# KiCad board knobby_8_layer_12_coils_60_leds_70x20_complete.kicad_pcb
title: Knobby Coil PCB 8 Layer; date: 2023-02-05; rev: 2.0
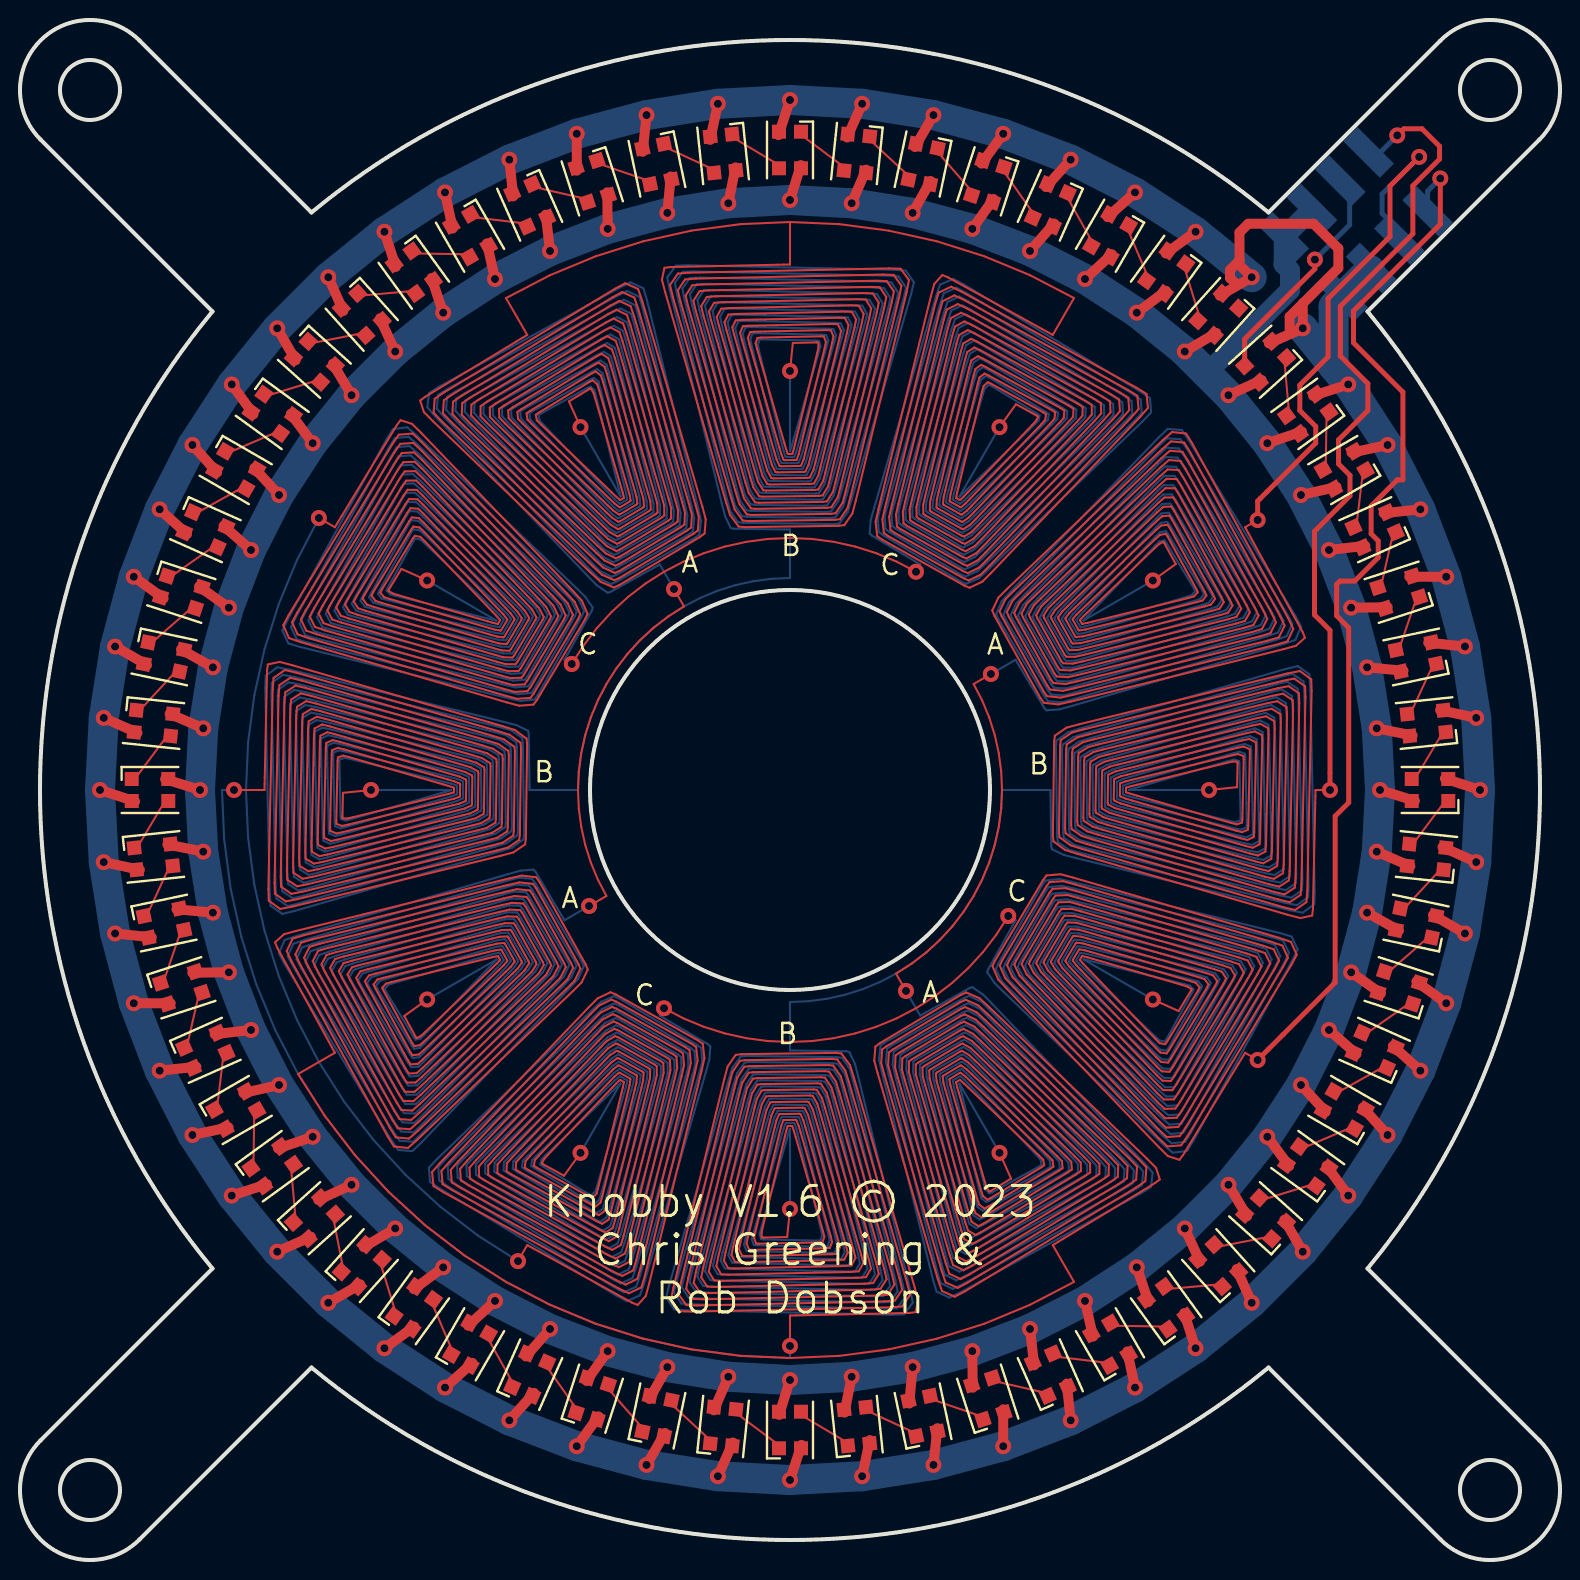
[diagram p0: board, top side]
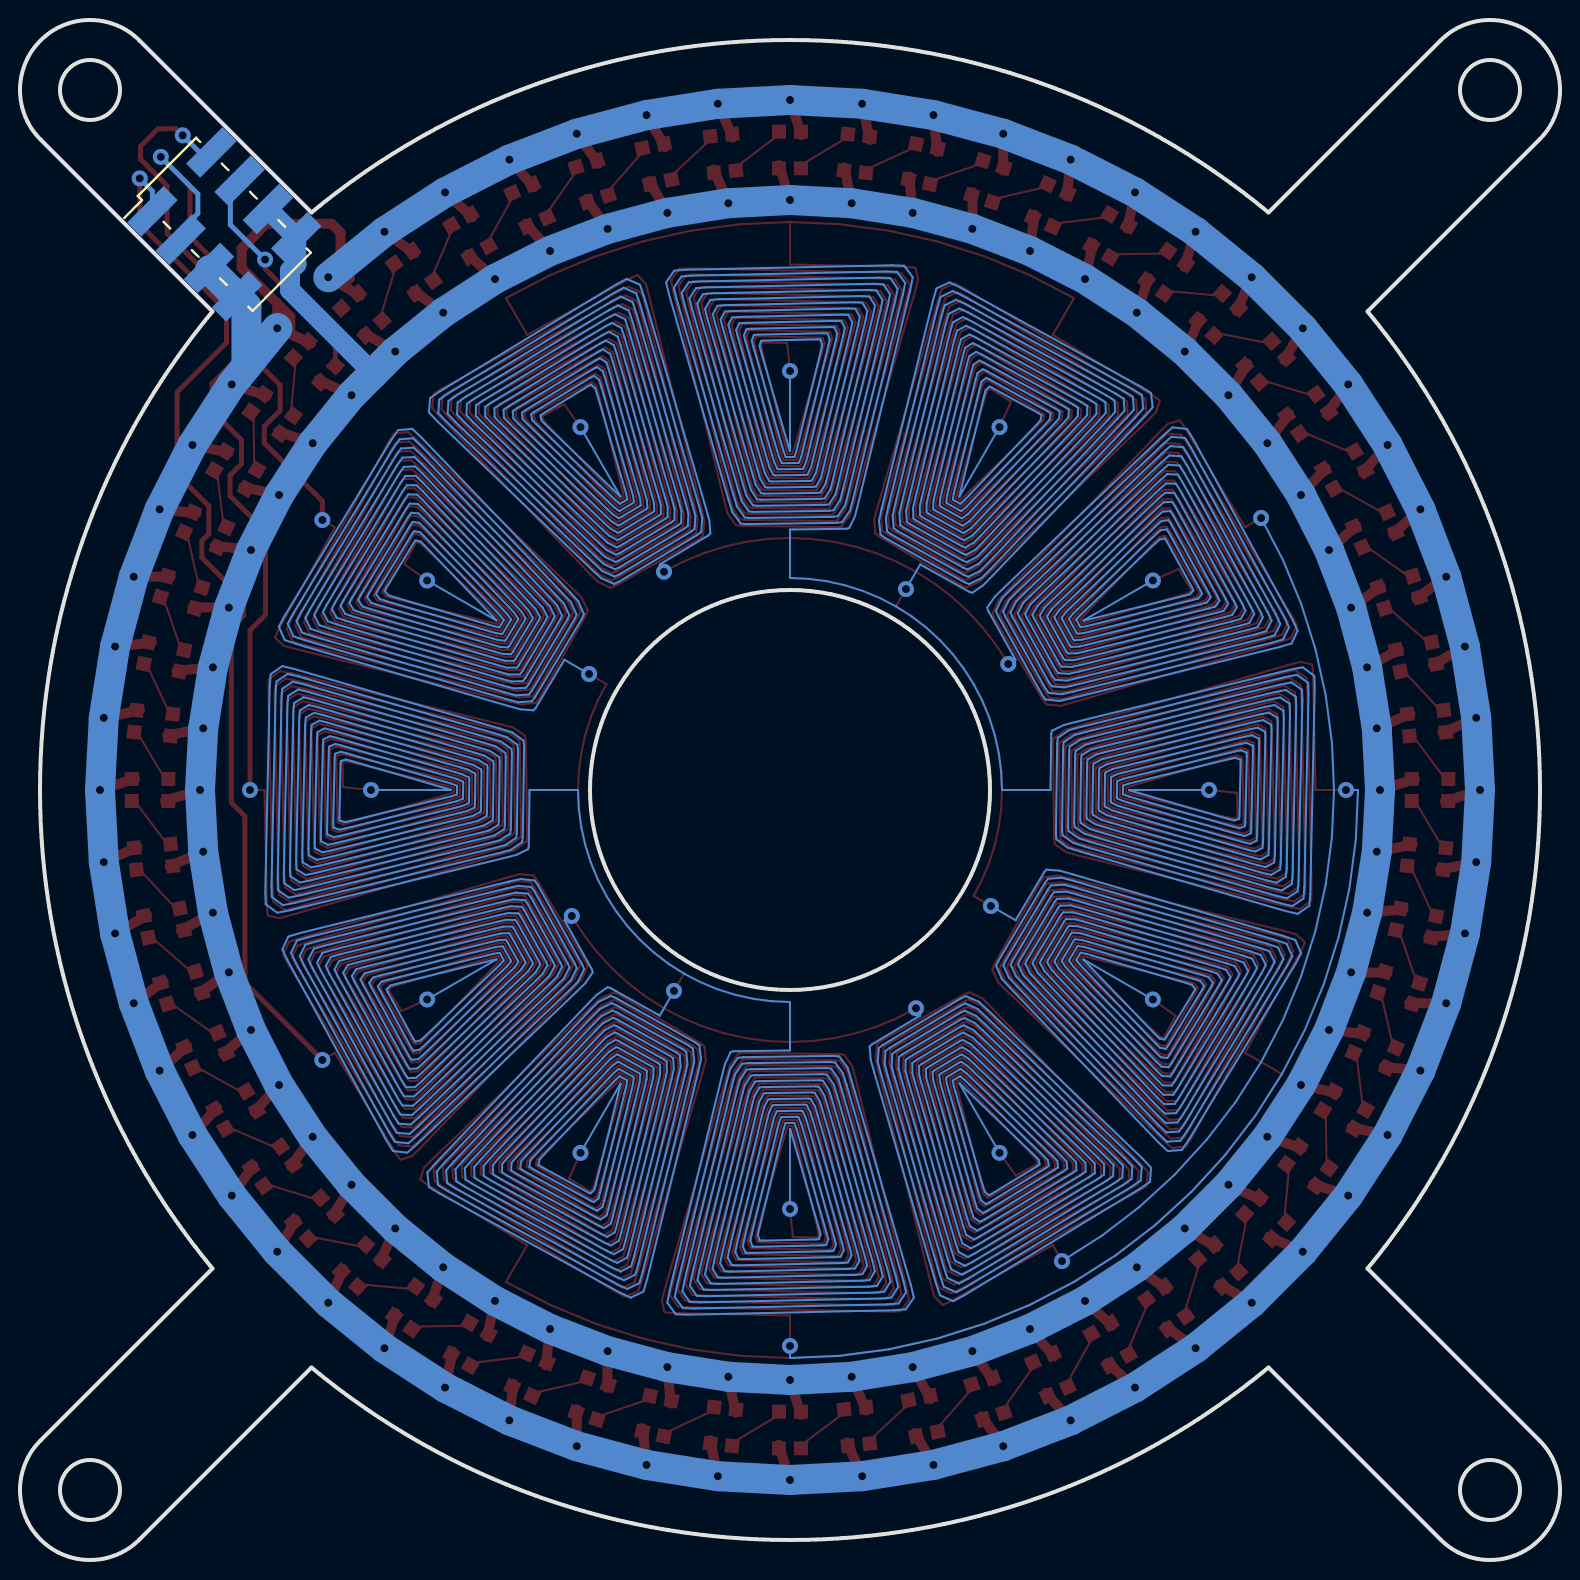
[diagram p1: board, bottom side, seen from below]

Outline 77 x 77 mm; copper layers: Top, In1.Cu, In2.Cu, In3.Cu, In4.Cu, In5.Cu, In6.Cu, Bottom. Coordinates in mm from the lower left corner of the outline.
Outline path: circle c3.5,73.5 r1.5 ; circle c3.5,3.5 r1.5 ; circle c38.5,38.5 r10 ; circle c73.5,73.5 r1.5 ; circle c73.5,3.5 r1.5 ; 1.03,71.03 arc(1.03,75.97) 5.97,75.97 14.57,67.38 arc(38.5,76) 62.43,67.38 71.03,75.97 arc(75.97,75.97) 75.97,71.03 67.38,62.43 arc(76,38.5) 67.38,14.57 75.97,5.97 arc(75.97,1.03) 71.03,1.03 62.43,9.62 arc(38.5,1) 14.57,9.62 5.97,1.03 arc(1.03,1.03) 1.03,5.97 9.62,14.57 arc(1,38.5) 9.62,62.43 1.03,71.03
Stack: Top 0.035mm / dielectric 0.1mm FR4 er 4.5 / In1.Cu 0.035mm / dielectric 1.51mm FR4 er 4.5 / In2.Cu 0.035mm / dielectric 1.51mm FR4 er 4.5 / In3.Cu 0.035mm / dielectric 1.51mm FR4 er 4.5 / In4.Cu 0.035mm / dielectric 1.51mm FR4 er 4.5 / In5.Cu 0.035mm / dielectric 1.51mm FR4 er 4.5 / In6.Cu 0.035mm / dielectric 1.51mm FR4 er 4.5 / Bottom 0.035mm

## Placement (name value [footprint] x y rotation side)
LED1  -  [LED_WS2812B-2020_PLCC4_2.0x2.0mm]  6.5 38.5 0 top
LED2  LED_WS2812B-2020_PLCC4_2.0x2.0mm  [LED_WS2812B-2020_PLCC4_2.0x2.0mm#2]  6.68 35.16 6 top
LED3  -  [LED_WS2812B-2020_PLCC4_2.0x2.0mm]  7.2 31.85 12 top
LED4  -  [LED_WS2812B-2020_PLCC4_2.0x2.0mm]  8.07 28.61 18 top
LED5  -  [LED_WS2812B-2020_PLCC4_2.0x2.0mm]  9.27 25.48 24 top
LED6  -  [LED_WS2812B-2020_PLCC4_2.0x2.0mm]  10.79 22.5 30 top
LED7  -  [LED_WS2812B-2020_PLCC4_2.0x2.0mm]  12.61 19.69 36 top
LED8  -  [LED_WS2812B-2020_PLCC4_2.0x2.0mm]  14.72 17.09 42 top
LED9  -  [LED_WS2812B-2020_PLCC4_2.0x2.0mm]  17.09 14.72 48 top
LED10  -  [LED_WS2812B-2020_PLCC4_2.0x2.0mm]  19.69 12.61 54 top
LED11  -  [LED_WS2812B-2020_PLCC4_2.0x2.0mm]  22.5 10.79 60 top
LED12  -  [LED_WS2812B-2020_PLCC4_2.0x2.0mm]  25.48 9.27 66 top
LED13  -  [LED_WS2812B-2020_PLCC4_2.0x2.0mm]  28.61 8.07 72 top
LED14  -  [LED_WS2812B-2020_PLCC4_2.0x2.0mm]  31.85 7.2 78 top
LED15  LED_WS2812B-2020_PLCC4_2.0x2.0mm  [LED_WS2812B-2020_PLCC4_2.0x2.0mm#3]  35.16 6.68 84 top
LED16  -  [LED_WS2812B-2020_PLCC4_2.0x2.0mm]  38.5 6.5 90 top
LED17  LED_WS2812B-2020_PLCC4_2.0x2.0mm  [LED_WS2812B-2020_PLCC4_2.0x2.0mm#2]  41.84 6.68 96 top
LED18  -  [LED_WS2812B-2020_PLCC4_2.0x2.0mm]  45.15 7.2 102 top
LED19  -  [LED_WS2812B-2020_PLCC4_2.0x2.0mm]  48.39 8.07 108 top
LED20  -  [LED_WS2812B-2020_PLCC4_2.0x2.0mm]  51.52 9.27 114 top
LED21  -  [LED_WS2812B-2020_PLCC4_2.0x2.0mm]  54.5 10.79 120 top
LED22  -  [LED_WS2812B-2020_PLCC4_2.0x2.0mm]  57.31 12.61 126 top
LED23  -  [LED_WS2812B-2020_PLCC4_2.0x2.0mm]  59.91 14.72 132 top
LED24  -  [LED_WS2812B-2020_PLCC4_2.0x2.0mm]  62.28 17.09 138 top
LED25  -  [LED_WS2812B-2020_PLCC4_2.0x2.0mm]  64.39 19.69 144 top
LED26  -  [LED_WS2812B-2020_PLCC4_2.0x2.0mm]  66.21 22.5 150 top
LED27  -  [LED_WS2812B-2020_PLCC4_2.0x2.0mm]  67.73 25.48 156 top
LED28  -  [LED_WS2812B-2020_PLCC4_2.0x2.0mm]  68.93 28.61 162 top
LED29  -  [LED_WS2812B-2020_PLCC4_2.0x2.0mm]  69.8 31.85 168 top
LED30  LED_WS2812B-2020_PLCC4_2.0x2.0mm  [LED_WS2812B-2020_PLCC4_2.0x2.0mm#3]  70.32 35.16 174 top
LED31  -  [LED_WS2812B-2020_PLCC4_2.0x2.0mm]  70.5 38.5 180 top
LED32  LED_WS2812B-2020_PLCC4_2.0x2.0mm  [LED_WS2812B-2020_PLCC4_2.0x2.0mm#2]  70.32 41.84 186 top
LED33  -  [LED_WS2812B-2020_PLCC4_2.0x2.0mm]  69.8 45.15 192 top
LED34  -  [LED_WS2812B-2020_PLCC4_2.0x2.0mm]  68.93 48.39 198 top
LED35  -  [LED_WS2812B-2020_PLCC4_2.0x2.0mm]  67.73 51.52 204 top
LED36  -  [LED_WS2812B-2020_PLCC4_2.0x2.0mm]  66.21 54.5 210 top
LED37  -  [LED_WS2812B-2020_PLCC4_2.0x2.0mm]  64.39 57.31 216 top
LED38  -  [LED_WS2812B-2020_PLCC4_2.0x2.0mm]  62.28 59.91 222 top
LED39  -  [LED_WS2812B-2020_PLCC4_2.0x2.0mm]  59.91 62.28 228 top
LED40  -  [LED_WS2812B-2020_PLCC4_2.0x2.0mm]  57.31 64.39 234 top
LED41  -  [LED_WS2812B-2020_PLCC4_2.0x2.0mm]  54.5 66.21 240 top
LED42  -  [LED_WS2812B-2020_PLCC4_2.0x2.0mm]  51.52 67.73 246 top
LED43  -  [LED_WS2812B-2020_PLCC4_2.0x2.0mm]  48.39 68.93 252 top
LED44  -  [LED_WS2812B-2020_PLCC4_2.0x2.0mm]  45.15 69.8 258 top
LED45  LED_WS2812B-2020_PLCC4_2.0x2.0mm  [LED_WS2812B-2020_PLCC4_2.0x2.0mm#3]  41.84 70.32 264 top
LED46  -  [LED_WS2812B-2020_PLCC4_2.0x2.0mm]  38.5 70.5 270 top
LED47  LED_WS2812B-2020_PLCC4_2.0x2.0mm  [LED_WS2812B-2020_PLCC4_2.0x2.0mm#2]  35.16 70.32 276 top
LED48  -  [LED_WS2812B-2020_PLCC4_2.0x2.0mm]  31.85 69.8 282 top
LED49  -  [LED_WS2812B-2020_PLCC4_2.0x2.0mm]  28.61 68.93 288 top
LED50  -  [LED_WS2812B-2020_PLCC4_2.0x2.0mm]  25.48 67.73 294 top
LED51  -  [LED_WS2812B-2020_PLCC4_2.0x2.0mm]  22.5 66.21 300 top
LED52  -  [LED_WS2812B-2020_PLCC4_2.0x2.0mm]  19.69 64.39 306 top
LED53  -  [LED_WS2812B-2020_PLCC4_2.0x2.0mm]  17.09 62.28 312 top
LED54  -  [LED_WS2812B-2020_PLCC4_2.0x2.0mm]  14.72 59.91 318 top
LED55  -  [LED_WS2812B-2020_PLCC4_2.0x2.0mm]  12.61 57.31 324 top
LED56  -  [LED_WS2812B-2020_PLCC4_2.0x2.0mm]  10.79 54.5 330 top
LED57  -  [LED_WS2812B-2020_PLCC4_2.0x2.0mm]  9.27 51.52 336 top
LED58  -  [LED_WS2812B-2020_PLCC4_2.0x2.0mm]  8.07 48.39 342 top
LED59  -  [LED_WS2812B-2020_PLCC4_2.0x2.0mm]  7.2 45.15 348 top
LED60  LED_WS2812B-2020_PLCC4_2.0x2.0mm  [LED_WS2812B-2020_PLCC4_2.0x2.0mm#3]  6.68 41.84 354 top
REF**  -  [PinHeader_2x04_P2.00mm_Vertical_SMD]  66.78 66.78 135 bottom

## Footprints (pads in the part's own frame, mm; a bottom-side part is the same pattern mirrored in y, then rotated)
LED_WS2812B-2020_PLCC4_2.0x2.0mm
  rect 0.7x0.7 smd: 1(-0.915,0.55) 2(-0.915,-0.55) 3(0.915,-0.55) 4(0.915,0.55)
LED_WS2812B-2020_PLCC4_2.0x2.0mm#2
  rect 0.7x0.7 smd: 1(-0.915,0.55) 2(-0.915,-0.55) 3(0.915,-0.55) 4(0.915,0.55)
LED_WS2812B-2020_PLCC4_2.0x2.0mm#3
  rect 0.7x0.7 smd: 1(-0.915,0.55) 2(-0.915,-0.55) 3(0.915,-0.55) 4(0.915,0.55)
PinHeader_2x04_P2.00mm_Vertical_SMD
  rect 2.58x1 smd: 1(-2.085,3) 2(2.085,3) 3(-2.085,1) 4(2.085,1) 5(-2.085,-1) 6(2.085,-1) 7(-2.085,-3) 8(2.085,-3)

## Nets
GND: LED1.2 LED2.2 LED3.2 LED4.2 LED5.2 LED6.2 LED7.2 LED8.2 LED9.2 LED10.2 LED11.2 LED12.2 LED13.2 LED14.2 LED15.2 LED16.2 LED17.2 LED18.2 LED19.2 LED20.2 LED21.2 LED22.2 LED23.2 LED24.2 LED25.2 LED26.2 LED27.2 LED28.2 LED29.2 LED30.2 LED31.2 LED32.2 LED33.2 LED34.2 LED35.2 LED36.2 LED37.2 LED38.2 LED39.2 LED40.2 LED41.2 LED42.2 LED43.2 LED44.2 LED45.2 LED46.2 LED47.2 LED48.2 LED49.2 LED50.2 LED51.2 LED52.2 LED53.2 LED54.2 LED55.2 LED56.2 LED57.2 LED58.2 LED59.2 LED60.2 REF**.5 REF**.7
coils: REF**.1 REF**.2 REF**.3
LED_IO_1: LED1.1 LED60.3
LED_IO_2: LED1.3 LED2.1
LED_IO_3: LED2.3 LED3.1
LED_IO_4: LED3.3 LED4.1
LED_IO_5: LED4.3 LED5.1
LED_IO_6: LED5.3 LED6.1
LED_IO_7: LED6.3 LED7.1
LED_IO_8: LED7.3 LED8.1
LED_IO_9: LED8.3 LED9.1
LED_IO_10: LED9.3 LED10.1
LED_IO_11: LED10.3 LED11.1
LED_IO_12: LED11.3 LED12.1
LED_IO_13: LED12.3 LED13.1
LED_IO_14: LED13.3 LED14.1
LED_IO_15: LED14.3 LED15.1
LED_IO_16: LED15.3 LED16.1
LED_IO_17: LED16.3 LED17.1
LED_IO_18: LED17.3 LED18.1
LED_IO_19: LED18.3 LED19.1
LED_IO_20: LED19.3 LED20.1
LED_IO_21: LED20.3 LED21.1
LED_IO_22: LED21.3 LED22.1
LED_IO_23: LED22.3 LED23.1
LED_IO_24: LED23.3 LED24.1
LED_IO_25: LED24.3 LED25.1
LED_IO_26: LED25.3 LED26.1
LED_IO_27: LED26.3 LED27.1
LED_IO_28: LED27.3 LED28.1
LED_IO_29: LED28.3 LED29.1
LED_IO_30: LED29.3 LED30.1
LED_IO_31: LED30.3 LED31.1
LED_IO_32: LED31.3 LED32.1
LED_IO_33: LED32.3 LED33.1
LED_IO_34: LED33.3 LED34.1
LED_IO_35: LED34.3 LED35.1
LED_IO_36: LED35.3 LED36.1
LED_IO_37: LED36.3 LED37.1
LED_IO_38: LED37.3 LED38.1
LED_IO_40: LED39.3 LED40.1
LED_IO_41: LED40.3 LED41.1
LED_IO_42: LED41.3 LED42.1
LED_IO_43: LED42.3 LED43.1
LED_IO_44: LED43.3 LED44.1
LED_IO_45: LED44.3 LED45.1
LED_IO_46: LED45.3 LED46.1
LED_IO_47: LED46.3 LED47.1
LED_IO_48: LED47.3 LED48.1
LED_IO_49: LED48.3 LED49.1
LED_IO_50: LED49.3 LED50.1
LED_IO_51: LED50.3 LED51.1
LED_IO_52: LED51.3 LED52.1
LED_IO_53: LED52.3 LED53.1
LED_IO_54: LED53.3 LED54.1
LED_IO_55: LED54.3 LED55.1
LED_IO_56: LED55.3 LED56.1
LED_IO_57: LED56.3 LED57.1
LED_IO_58: LED57.3 LED58.1
LED_IO_59: LED58.3 LED59.1
LED_IO_60: LED59.3 LED60.1
LED_RING_INPUT: LED38.3 REF**.4
V+: LED1.4 LED2.4 LED3.4 LED4.4 LED5.4 LED6.4 LED7.4 LED8.4 LED9.4 LED10.4 LED11.4 LED12.4 LED13.4 LED14.4 LED15.4 LED16.4 LED17.4 LED18.4 LED19.4 LED20.4 LED21.4 LED22.4 LED23.4 LED24.4 LED25.4 LED26.4 LED27.4 LED28.4 LED29.4 LED30.4 LED31.4 LED32.4 LED33.4 LED34.4 LED35.4 LED36.4 LED37.4 LED38.4 LED39.4 LED40.4 LED41.4 LED42.4 LED43.4 LED44.4 LED45.4 LED46.4 LED47.4 LED48.4 LED49.4 LED50.4 LED51.4 LED52.4 LED53.4 LED54.4 LED55.4 LED56.4 LED57.4 LED58.4 LED59.4 LED60.4 REF**.6 REF**.8

Pads without a net: LED39 1

## Via types
v1: diameter 0.8, hole 0.4, Top to Bottom, 151 vias
